# Altium PCB WSN_v1.1.PcbDoc
Units mm, origin at the board's own origin, x right, y up, seen from the top; angles counter-clockwise.
Board outline 73.02 x 57.15 mm, 2 copper layers (Top Layer, Bottom Layer); 63 components, 68 nets, 288 pads, 75 vias.
Unrouted connection lines stored in the file: 1.
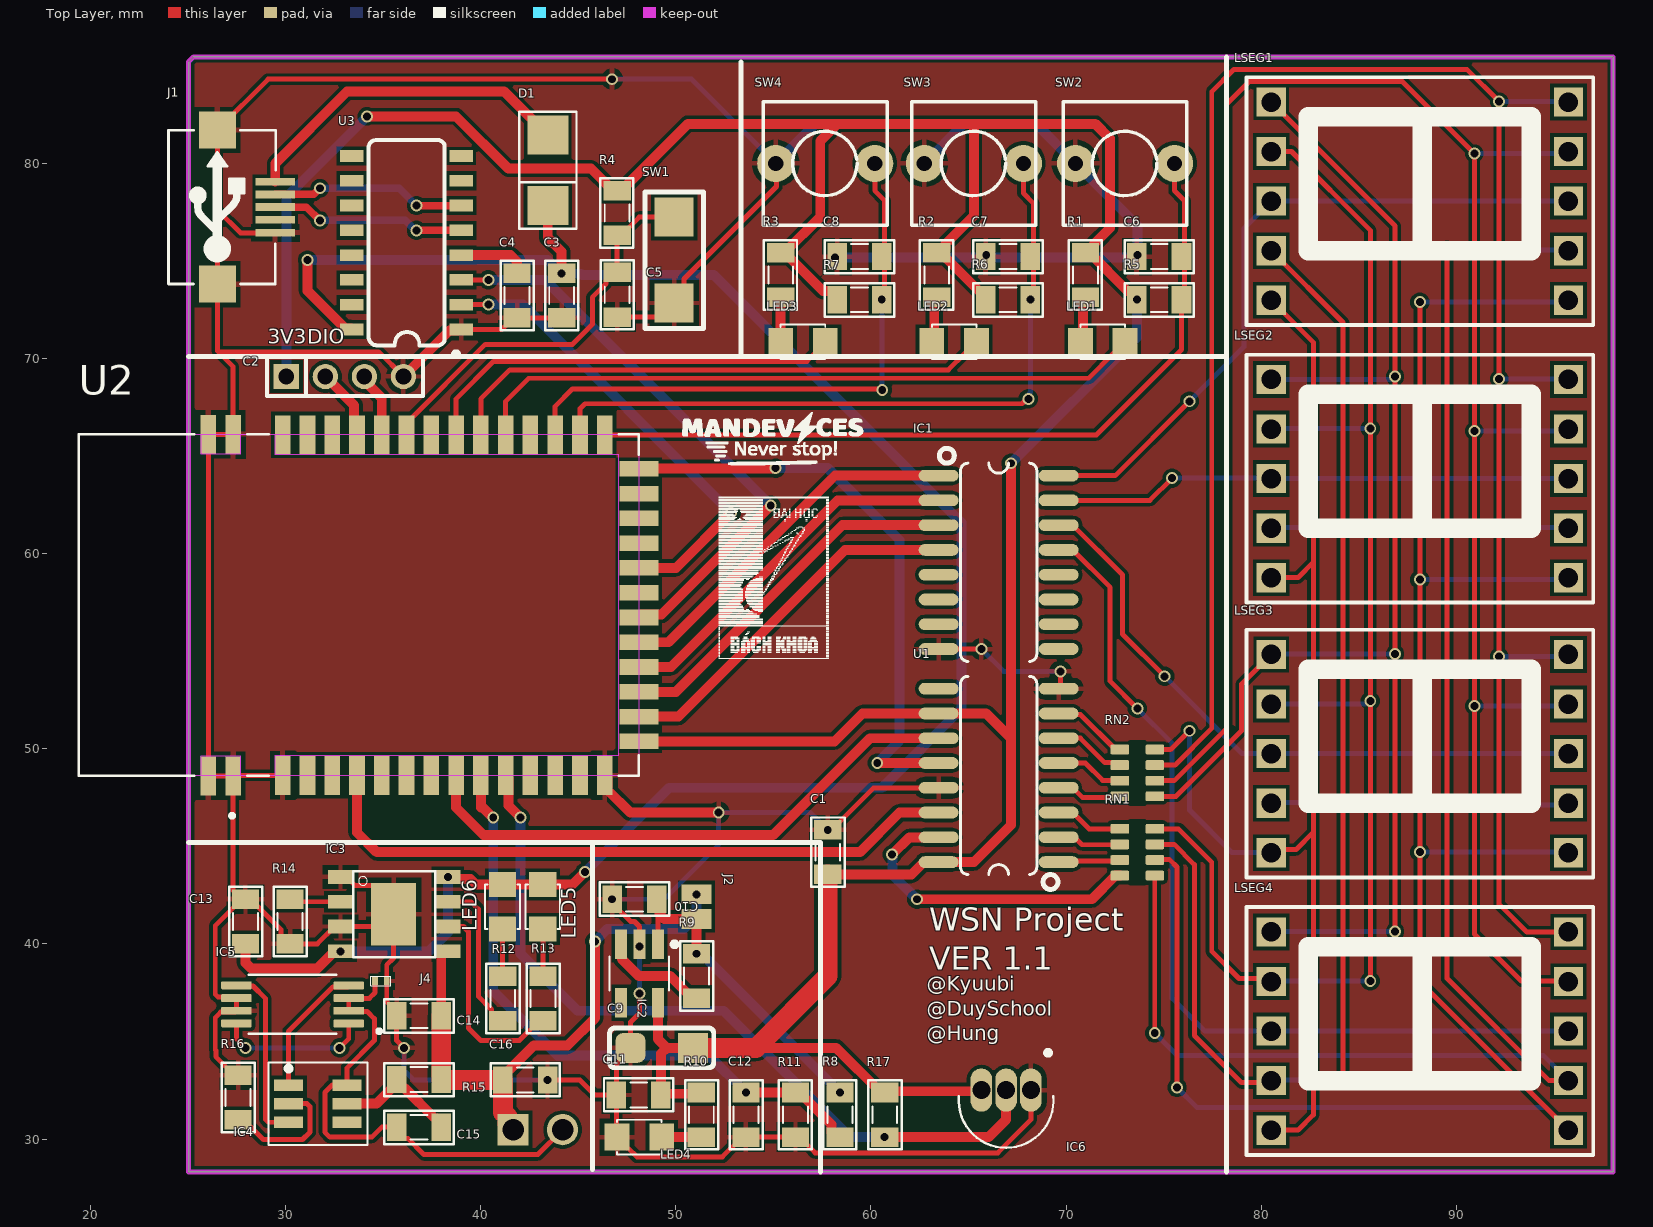
[diagram p0: Top Layer view]
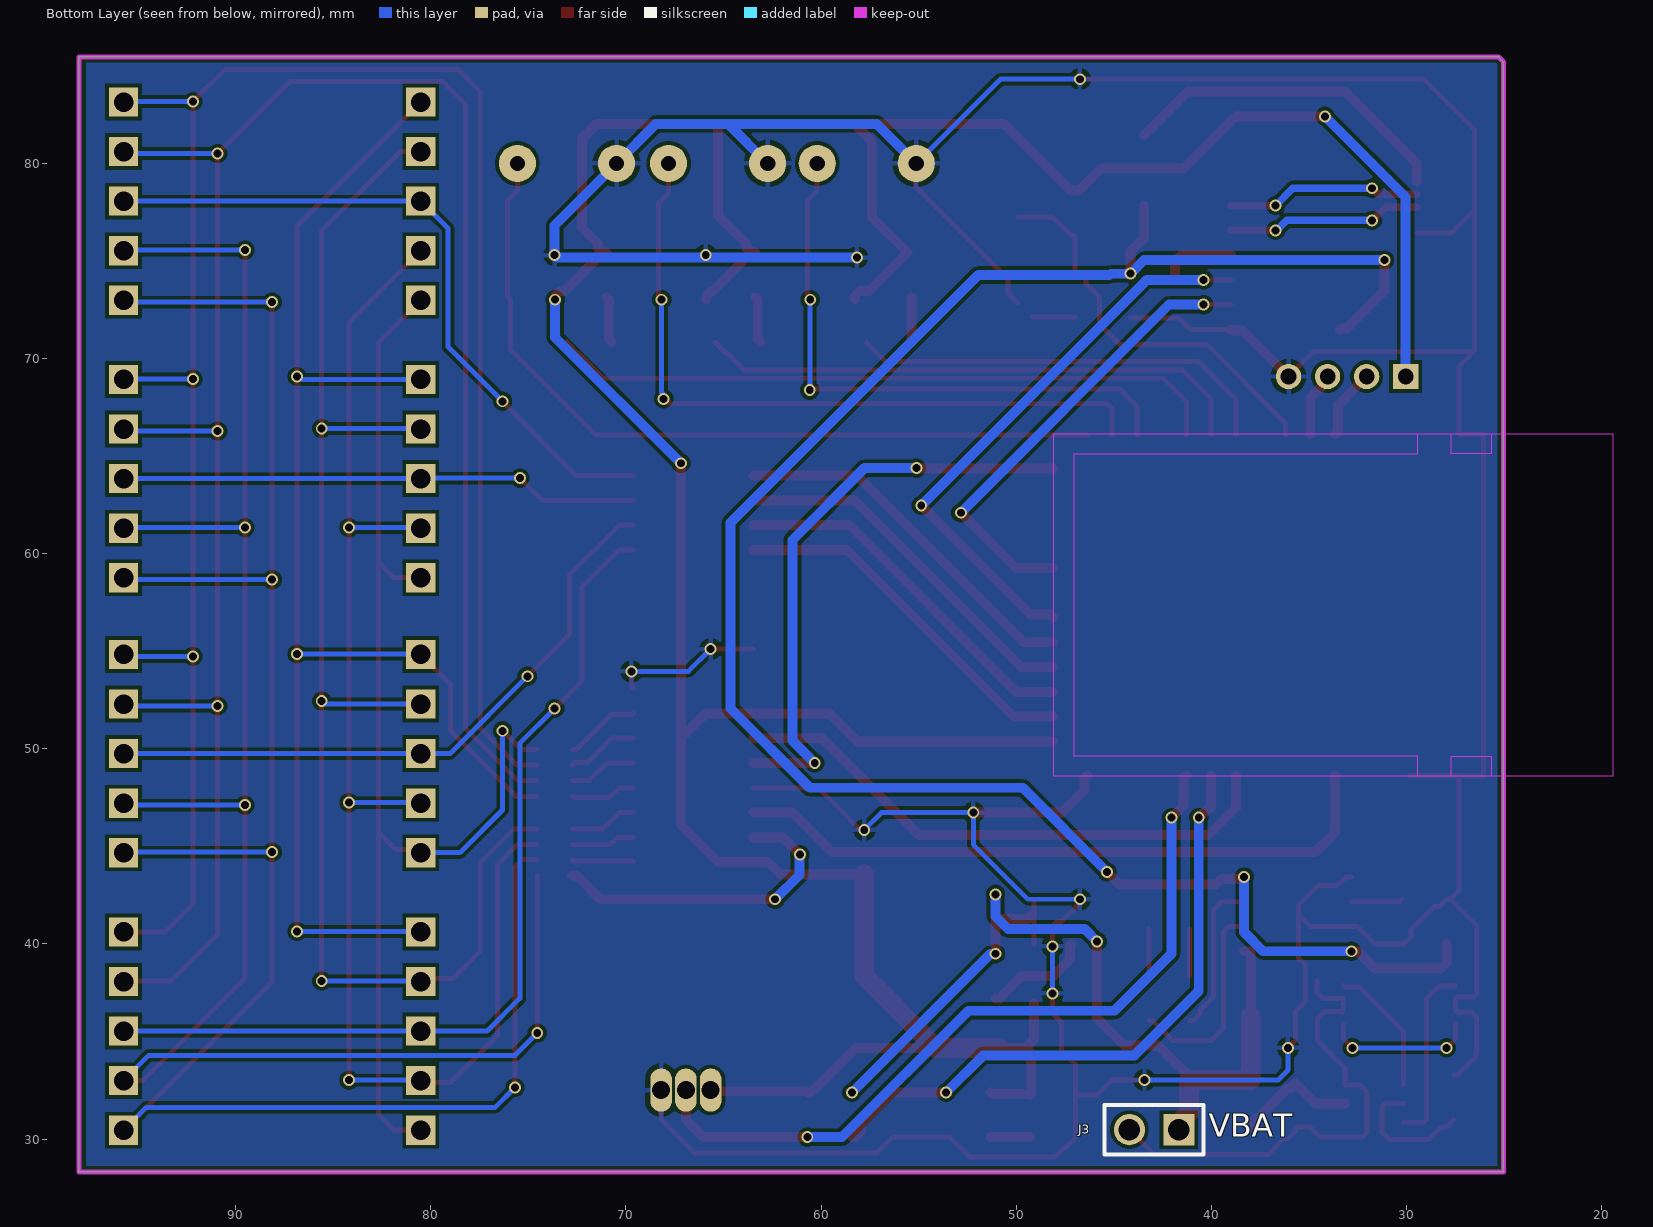
[diagram p1: Bottom Layer view, seen from below]
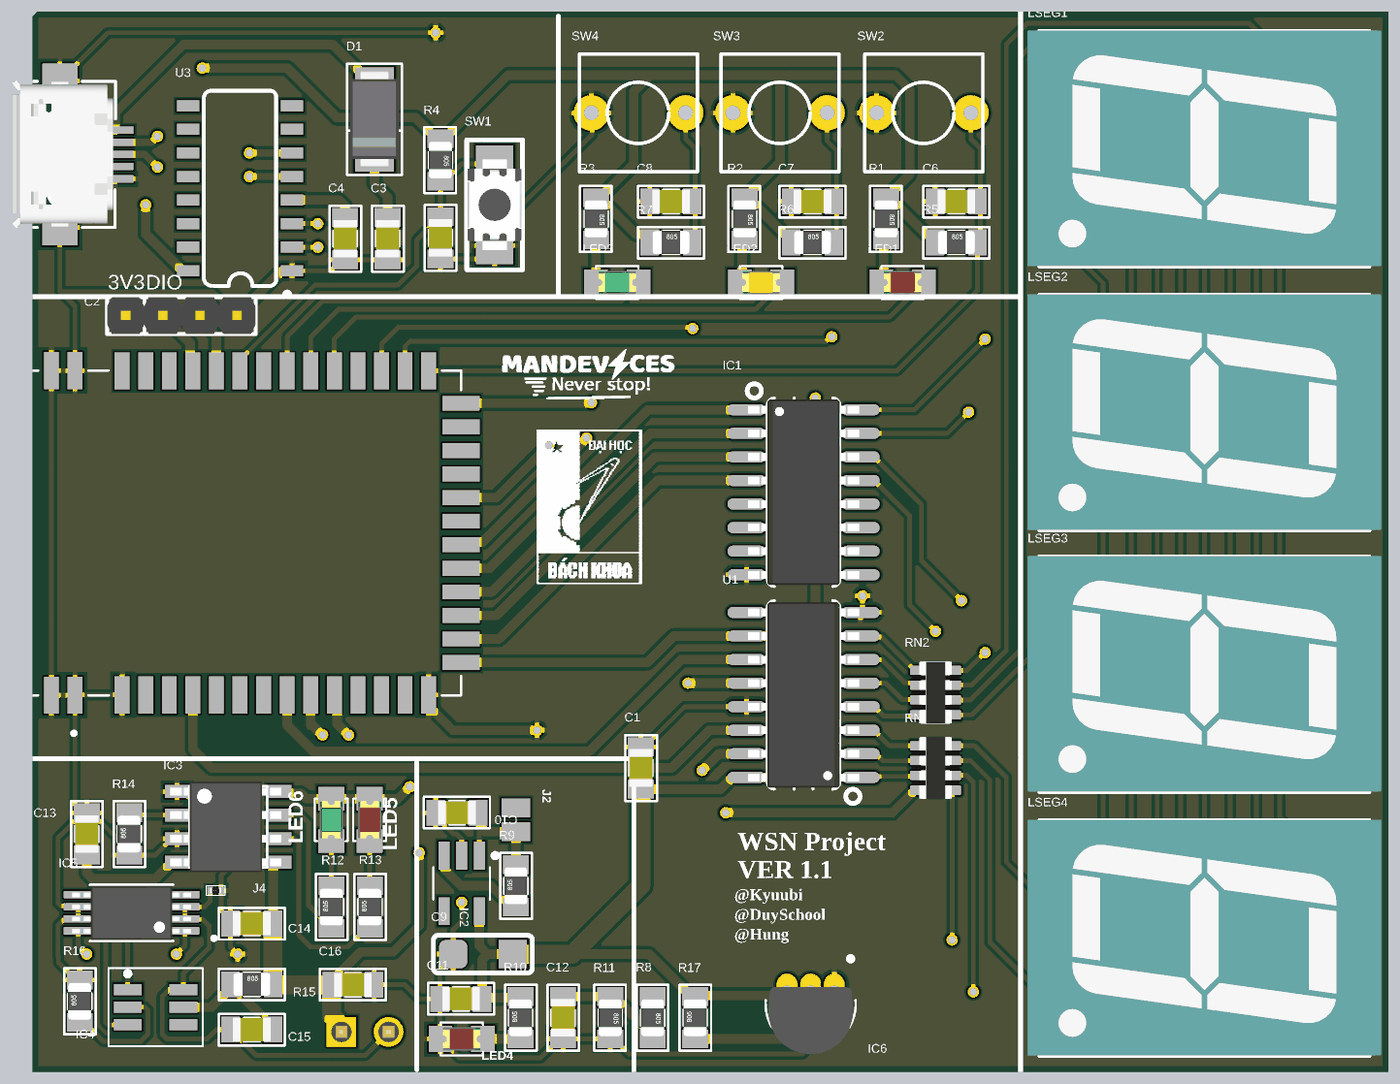
[diagram p2: 3D render of the assembled board from above, using the file's embedded part models]

## Layer stack, top to bottom
Top Solder: solder mask 0.0102, Solder Resist, Dk 3.5
Top Layer: signal copper 0.0356
Dielectric 1: dielectric 0.32, FR-4, Dk 4.8
Bottom Layer: signal copper 0.0356
Bottom Solder: solder mask 0.0102, Solder Resist, Dk 3.5

## Board outline
25.019,28.321 98.044,28.321 98.044,85.471 25.273,85.471 25.019,85.217

## Design rules (kind name [scope] priority, off if disabled: settings)
Clearance [All] p1: gap=0.178 ignorepadtopadclearanceinfootprint=TRUE
DiffPairsRouting [All] p1: maxlimit=0.254 minlimit=0.254 mostfreqgap=0.254 toplayer_minwidth=0.381 toplayer_maxwidth=0.381 toplayer_prefwidth=0.381 bottomlayer_minwidth=0.381 bottomlayer_maxwidth=0.381 bottomlayer_prefwidth=0.381 maxuncoupledlength=12.7
PolygonConnect [All] p1: connectstyle=Relief reliefconductorwidth=0.254 reliefentries=4 polygonreliefangle="90 Angle" airgapwidth=0.254
RoutingVias [All] p1: holewidth=0.406 width=0.61 viastyle="Through Hole" minholewidth=0.406 minwidth=0.61 maxholewidth=0.508 maxwidth=0.711
SolderMaskExpansion [All] p1: expansion=0.102 istentingtop=FALSE
Width [All] p1: maxlimit=1.016 minlimit=0.254 preferedwidth=0.508
29 further rules are at their usual default settings.

## Classes and differential pairs
component class U_Sensor: IC6 R17
component class U_Power: C9 C10 C11 C12 C13 C14 C15 C16 IC2 IC3 IC4 IC5 J3 J4 LED4 LED5 LED6 R8 R9 R10 R11 R12 R13 R14 R15 R16
component class U_Main: C2 C3 C4 C5 C6 C7 C8 D1 J1 LED1 LED2 LED3 R1 R2 R3 R4 R5 R6 R7 SW1 SW2 SW3 SW4 U2 U3
component class U_Display: C1 IC1 LSEG1 LSEG2 LSEG3 LSEG4 RN1 RN2 U1
differential pair D0: +D0_P -D0_N

## Components (designator, comment, footprint, x,y, rotation, side; value= is the part's Value field where it differs from the comment)
C1 "100nF" CAP_0805 57.785,44.704 r90 top value=33p
C2 "ST_Link" J4-D1T 33.036,69.088 r0 top
C3 "10uF" CAP_0805 44.145,73.233 r90 top value=33p
C4 "100nF" CAP_0805 41.859,73.233 r90 top value=33p
C5 "10uF" CAP_0805 46.99,73.279 r90 top value=33p
C6 "10uF" CAP_0805 74.778,75.235 r0 top value=33p
C7 "10uF" CAP_0805 67.031,75.235 r0 top value=33p
C8 "10uF" CAP_0805 59.411,75.235 r0 top value=33p
C9 "220uF" CAP_TANTALUM_3216 49.276,34.671 r180 top
C10 "470nF" CAP_0805 47.879,42.291 r180 top value=33p
C11 "100nF" CAP_0805 48.095,32.258 r180 top value=33p
C12 "100nF" CAP_0805 53.594,31.242 r90 top value=33p
C13 "100nF" CAP_0805 27.94,41.148 r90 top value=33p
C14 "100nF" CAP_0805 36.83,36.322 r0 top value=33p
C15 "100nF" CAP_0805 36.83,30.607 r0 top value=33p
C16 "100nF" CAP_0805 42.278,33.02 r180 top value=33p
D1 "Diode SMD" DIO-214AC(SMA) 43.383,79.583 r90 top value=1N5007
IC1 "ULN2003A" SOIC16 66.548,59.563 r0 top
IC2 "RT9013" SOT23-5 48.133,38.481 r270 top
IC3 "TP4056" TP4056 35.56,41.529 r0 top
IC4 "DW01A" SOT23-6 31.647,31.811 r0 top
IC5 "FS8205A" FS8205A 30.353,36.957 r180 top
IC6 "DSB18B20" TO-92 66.802,32.004 r180 top
J1 "Debug" USB-M1 29.464,77.775 r90 top
J2 "Jumper2" JUMPER2 51.054,41.275 r270 top
J3 "VBAT_IN" JP2-D1T 41.656,30.48 r0 bottom
J4 "Jumper2" RES-SMD-0201 34.879,38.1 r0 top
LED1 "LED" LED-0805-Red 70.739,70.866 r0 top value="LED 3 ly Single Colour"
LED2 "LED" LED-0805-Yellow 63.119,70.866 r0 top value="LED 3 ly Single Colour"
LED3 "LED" LED-0805-Green 55.372,70.866 r0 top value="LED 3 ly Single Colour"
LED4 "" LED-0805-Red 49.276,30.099 r180 top value="LED 3 ly Single Colour"
LED5 "LED" LED-0805-Red 43.18,43.053 r270 top value="LED 3 ly Single Colour"
LED6 "LED" LED-0805-Green 41.11,43.053 r270 top value="LED 3 ly Single Colour"
LSEG1 "7SEG-K" LED7SEG 88.138,78.105 r270 top
LSEG2 "7SEG-K" LED7SEG 88.138,63.881 r270 top
LSEG3 "7SEG-K" LED7SEG 88.138,49.784 r270 top
LSEG4 "7SEG-K" LED7SEG 88.138,35.56 r270 top
R1 "1k" RES-SMD-0805 70.993,74.295 r270 top
R2 "1k" RES-SMD-0805 63.373,74.295 r270 top
R3 "1k" RES-SMD-0805 55.372,74.295 r270 top
R4 "10k" RES-SMD-0805 46.99,77.47 r270 top
R5 "10k" RES-SMD-0805 74.778,73.025 r0 top
R6 "10k" RES-SMD-0805 67.031,73.025 r0 top
R7 "10k" RES-SMD-0805 59.411,73.025 r0 top
R8 "30k" RES-SMD-0805 58.42,31.242 r270 top
R9 "10k" RES-SMD-0805 51.054,38.354 r90 top
R10 "1k" RES-SMD-0805 51.308,31.242 r90 top
R11 "100k" RES-SMD-0805 56.134,31.242 r270 top
R12 "1k" RES-SMD-0805 41.123,37.211 r90 top
R13 "1k" RES-SMD-0805 43.193,37.211 r90 top
R14 "1k2" RES-SMD-0805 30.226,41.148 r90 top
R15 "0.1k" RES-SMD-0805 36.83,33.045 r0 top
R16 "1k" RES-SMD-0805 27.559,32.131 r90 top
R17 "4k7" RES-SMD-0805 60.706,31.242 r90 top
RN1 "RP330" RN4-0805 73.66,44.704 r180 top
RN2 "RP330" RN4-0805 73.66,48.768 r180 top
SW1 "SW" "SW 3x2x4" 49.911,75.057 r90 top value="SW chip 2 pin"
SW2 "SW" SW2 70.485,80.01 r0 top value="SW chip 2 pin"
SW3 "SW" SW2 62.738,80.01 r0 top value="SW chip 2 pin"
SW4 "SW" SW2 55.118,80.01 r0 top value="SW chip 2 pin"
U1 "74HC595" SOIC16 66.548,48.641 r180 top
U2 "NRF52832_B" NRF52832_B 30.937,57.35 r90 top
U3 "CH340C" SOP-16 36.195,75.946 r90 top

## Footprints (in the part's own frame and the unit in brackets; to place one, negate y for a bottom-side part, rotate by r counter-clockwise, add the part's x,y. Pads: shape width x height; smd on the part's side, far side on the other; paste and mask are expansions set on the pad)
CAP_0805 [mil]
  rect 39.37x55 smd: 1(-45,0) 2(45,0)
  silkscreen extent -70,-34 70,33, body extent -40,-25 40,25, height 24
CAP_TANTALUM_3216 [mil]
  rect 60x60 smd: 1(-62.99,0)
  rrect50% 60x60 smd: 2(62.99,0)
  silkscreen extent -105,-40 105,40, body extent -67,-35 67,35, height 67
DIO-214AC(SMA) [mm] "DO-214AC Diode Smallest Size"
  rect 2x2.1 smd: 1(1.88,-0.051) 2(-1.732,-0.051)
  silkscreen extent -2.92,-1.52 3.07,1.42, body extent -2.5,-1.35 2.7,1.25, height 2.4
FS8205A [mm]
  rrect25% 1.56x0.4 smd: 1(-2.88,1.031) 2(-2.88,0.381) 3(-2.88,-0.269) 4(-2.88,-0.919) 5(2.88,-0.919) 6(2.88,-0.269) 7(2.88,0.381) 8(2.88,1.031)
  silkscreen extent -4.54,-1.46 2.25,1.57, body extent -3.2,-1.4 3.2,1.53, height 1.2
J4-D1T [mm] "4 pins, 1 row, straight, gold plating"
  rect 1.3x1.3 hole 0.8: 1(-3,0)
  round 1.3 hole 0.8: 2(-1,0) 3(1,0) 4(3,0)
  silkscreen extent -4,-1 4,1, body extent -4,-1 4,1, height 6.01
JP2-D1T [mm] "2 pins, 1 row, straight, gold plating"
  rect 1.6x1.6 hole 1.1: 1(0,0)
  round 1.6 hole 1.1: 2(2.54,0)
  silkscreen extent -1.27,-1.27 3.81,1.27, body extent -1.27,-1.27 3.81,1.27, height 8.54
JUMPER2 [mil]
  rect 40x60 smd: 1(-50,0) 2(0,0)
LED7SEG [mm] "LED7SEG"
  round 1.524 on Top Overlay: 0(4.724,-5.334)
  rect 1.5x1.5 hole 1: 1(-5.055,-7.62) 2(-2.515,-7.62) 3(0.025,-7.62) 4(2.565,-7.62) 5(5.105,-7.62) 6(5.105,7.62) 7(2.565,7.62) 8(0.025,7.62) 9(-2.515,7.62) 10(-5.055,7.62)
  silkscreen extent -6.32,-8.89 6.38,8.89, body extent -6.35,-9.52 6.35,9.53, height 8.03
LED-0805-Green [mil]
  rect 50x55 smd: 1(0,0) 2(90,0)
  silkscreen extent 0,-35 90,35, body extent 5,-25 85,25, height 43
LED-0805-Red [mil]
  rect 50x55 smd: 1(0,0) 2(90,0)
  silkscreen extent 0,-35 90,35, body extent 5,-25 85,25, height 43
LED-0805-Yellow [mil]
  rect 50x55 smd: 1(0,0) 2(90,0)
  silkscreen extent 0,-35 90,35, body extent 5,-25 85,25, height 43
NRF52832_B [mm] "https://www.ebyte.com/product-view-news.aspx?id=239&=ds-tm"
  rect 2x0.8 smd: 0(-8.729,4.902) 1(-8.729,3.632) 2(-8.709,1.092) 3(-8.709,-0.178) 4(-8.709,-1.448) 5(-8.709,-2.718) 6(-8.709,-3.988) 7(-8.709,-5.258) 8(-8.709,-6.528) 9(-8.709,-7.798) 10(-8.709,-9.068) 11(-8.709,-10.338) 12(-8.709,-11.608) 13(-8.709,-12.878) 14(-8.709,-14.148) 15(-8.709,-15.418) 28(8.751,-15.418) 29(8.751,-14.148) 30(8.751,-12.878) 31(8.751,-11.608) 32(8.751,-10.338) 33(8.751,-9.068) 34(8.751,-7.798) 35(8.751,-6.528) 36(8.751,-5.258) 37(8.751,-3.988) 38(8.751,-2.718) 39(8.751,-1.448) 40(8.751,-0.178) 41(8.751,1.092) 42(8.771,3.632) 43(8.771,4.902)
  rect 0.8x2 smd: 16(-6.964,-17.163) 17(-5.694,-17.163) 18(-4.424,-17.163) 19(-3.154,-17.163) 20(-1.884,-17.163) 21(-0.614,-17.163) 22(0.656,-17.163) 23(1.926,-17.163) 24(3.196,-17.163) 25(4.466,-17.163) 26(5.736,-17.163) 27(7.006,-17.163)
  Keep-Out Layer region: 8.771,-17.163 -8.729,-17.163 -8.729,11.537 8.771,11.537
  Keep-Out Layer region: 8.771,5.302 7.771,5.302 7.771,3.232 8.771,3.232 8.771,1.492 7.751,1.492 7.751,-16.113 -7.709,-16.113 -7.709,1.492 -8.729,1.492 -8.729,3.232 -7.729,3.232 -7.729,5.287 -8.729,5.287 -8.729,11.537 8.771,11.537
  silkscreen extent -10.88,-17.16 8.77,11.54
RES-SMD-0201 [mm]
  rect 0.3x0.4 smd: 1(-0.3,0) 2(0.3,0)
  silkscreen extent -0.51,-0.25 0.51,0.25, body extent -0.3,-0.15 0.3,0.15, height 0.22
RES-SMD-0805 [mil]
  rect 39.37x55 smd: 1(-45,0) 2(45,0)
  silkscreen extent -70,-34 70,33, body extent -39,-25 39,25, height 31
RN4-0805 [mm]
  round 0.254 on Mech15: 0(0,0)
  rrect25% 0.95x0.5 smd: 1(-0.9,1.2) 2(-0.9,0.4) 3(-0.9,-0.4) 4(-0.9,-1.2) 5(0.9,-1.2) 6(0.9,-0.4) 7(0.9,0.4) 8(0.9,1.2)
  Top Layer pour cut-out: -0.4,1.7 0.4,1.7 0.4,-1.7 -0.4,-1.7
  body extent -0.87,-1.68 0.88,1.67, height 0.7
SOIC16 [mm]
  oval 2.05x0.6 smd: 1(-3.075,4.445) 2(-3.075,3.175) 3(-3.075,1.905) 4(-3.075,0.635) 5(-3.075,-0.635) 6(-3.075,-1.905) 7(-3.075,-3.175) 8(-3.075,-4.445) 9(3.075,-4.445) 10(3.075,-3.175) 11(3.075,-1.905) 12(3.075,-0.635) 13(3.075,0.635) 14(3.075,1.905) 15(3.075,3.175) 16(3.075,4.445)
  silkscreen extent -3.03,-5.08 1.96,5.85, body extent -3,-5 3,5, height 1.75
SOP-16 [mm]
  rect 0.6x1.2 smd: 1(-4.445,-2.8) 2(-3.175,-2.8) 3(-1.905,-2.8) 4(-0.635,-2.8) 5(0.635,-2.8) 6(1.905,-2.8) 7(3.175,-2.8) 8(4.445,-2.8) 9(4.445,2.8) 10(3.175,2.8) 11(1.905,2.8) 12(0.635,2.8) 13(-0.635,2.8) 14(-1.905,2.8) 15(-3.175,2.8) 16(-4.445,2.8)
  silkscreen extent -5.84,-2.67 5.26,1.95, body extent -4.95,-3.47 4.95,3.47, height 1.75
SOT23-5 [mm] "SOT23, 5-Leads, Body 3.0x3.0mm (max), Pitch 0.95mm, IPC Medium Density"
  rect 1.5x0.6 smd: 1(-1.5,0.95) 2(-1.5,0) 3(-1.5,-0.95) 4(1.5,-0.95) 5(1.5,0.95)
  silkscreen extent -1.62,-1.52 0.87,1.93, body extent -1.75,-1.52 1.75,1.53, height 1.45
SOT23-6 [mm] "SOT23, 5-Leads, Body 3.0x3.0mm (max), Pitch 0.95mm, IPC Medium Density"
  rect 1.5x0.6 smd: 1(-1.5,0.95) 2(-1.5,0) 3(-1.5,-0.95) 4(1.5,-0.95) 5(1.5,0) 6(1.5,0.95)
  silkscreen extent -2.54,-2.11 2.54,2.11, body extent -1.75,-1.52 1.75,1.53, height 1.45
SW2 [mil] "SW button 2pin, 250x 250 mil"
  round 75 hole 31: 1(0,0) 2(200,0)
  silkscreen extent -25,-125 225,125
"SW 3x2x4" [mm]
  rect 2x2 smd: 1(-2.2,0) 2(2.2,0)
  silkscreen extent -3.5,-1.5 3.5,1.5, body extent -2.45,-1.45 2.45,1.45, height 2
TO-92 [mm]
  oval 1.11x2.22 hole 0.93: 1(-1.397,-0.506) 2(-0.127,-0.506) 3(1.143,-0.506)
  silkscreen extent -2.56,-2.54 2.3,2.45, body extent -2.41,-0.89 2.16,2.73, height 20.45
TP4056 [mm]
  rect 1.3x0.7 smd: 1(-2.75,1.905) 2(-2.75,0.635) 3(-2.75,-0.635) 4(-2.75,-1.905) 5(2.75,-1.905) 6(2.75,-0.635) 7(2.75,0.635) 8(2.75,1.905)
  rect 2.3x3.2 smd: 3(-0.025,0)
  silkscreen extent -2.1,-2.2 2.1,2.2, body extent -3.13,-2.45 2.87,2.45, height 1.75
USB-M1 [mm]
  rect 0.4x2 smd: 1(1.3,0) 2(0.65,0) 3(0,0) 4(-0.65,0) 5(-1.321,0)
  rect 1.9x1.9 smd: 5(-3.95,2.968) 5(3.95,2.968)
  silkscreen extent -3.94,-0.03 3.94,5.46, body extent -3.98,0.11 4,5.54, height 2.71

## Part data
C1 C3 C4 C5 C6 C7 C8 C10 C11 C12 C13 C14 C15 C16: library part CapSMD, "Capacitor", LatestRevisionDate=17-Jul-2002, LatestRevisionNote="Re-released for DXP Platform.", PackageReference=RAD-0.3, Published=8-Jun-2000, Publisher="Altium Limited"
C2: library part JP4x1-2.0, "WR-PHD 2.00 mm Socket Header", Manufacturer="W¨¹rth Elektronik eiSos GmbH", partNo=62000411821, ComponentLink1 Description=Manufacturer, ComponentLink1URL=http://www.we-online.com, ComponentLink2 Description=Datasheet, ComponentLink2URL=http://katalog.we-online.de/em/datasheet/6200xx11821.pdf, Created by="Karrer Zheng", Created Date="2 April 2013", NoPins=04
C9: library part "Cap Pol", "Polarized Capacitor (Axial)", LatestRevisionDate=17-Jul-2002, LatestRevisionNote="Re-released for DXP Platform.", PackageReference=POLAR0.8, Published=8-Jun-2000, Publisher="Altium Limited"
D1: "Default Diode", Code - JEDEC=DO-214-AB, Published=8-Jun-2000, Publisher="Altium Limited", Revision="July-2002: Re-released for DXP Platform."
IC1: "High-Voltage, High-Current Darlington Array", LatestRevisionNote="Stylized 3D Model Added.", Publisher="Altium Limited"
IC2: "https://linhkien.cxt.vn/5435-rt9013-33gb-ic-reg-linear-33v-500ma-sot23-5.html"
IC3: "Complete single cell Li-Ion battery with a constant current / constant voltage linear charger"
IC4: "One Cell Lithium-ion/Polymer Battery Protection IC"
IC6: "https://linhkien.cxt.vn/3083-ds18b20-temperature-sensors-55-to-125-c-to-92-3.html"
J1: library part USB-5, Manufacturer=FCI, Manufacturer Part Number=10118193-0001LF, Supplier Part Number 1=609-4616-1-ND, .Checked PCB=RF, .Checked SCH=MM, .Creator=MM, Category="Connectors, Interconnects", ComponentLink1Description=http://portal.fciconnect.com/Comergent//fci/drawing/10118193.pdf, ComponentLink1URL=http://portal.fciconnect.com/Comergent//fci/drawing/10118193.pdf, Connector Type="USB - micro B", Features="Shielded, Solder Retention", Gender=Receptacle, Ingress Protection=-, Mounting Type="Surface Mount, Right Angle, Horizontal", Number of Contacts=5, Packaging="Cut Tape (CT)", Pricing 1="1=0.46, 10=0.433, 25=0.3712, 50=0.3156, 100=0.3032, 250=0.27224, 500=0.25988 (USD)", RoHS="RoHS Compliant", Specifications="USB 2.0", Stock 1=28642, Supplier 1=Digi-Key
J2 J4: "Jumper, 2-Pin"
J3: library part JP2, "WR-PHD 2.54 mm Angled Socket Header", Manufacturer="W¨¹rth Elektronik eiSos GmbH", partNo=613002143121, ComponentLink1 Description=Manufacturer, ComponentLink1URL=http://www.we-online.com, ComponentLink2 Description=Datasheet, ComponentLink2URL=http://katalog.we-online.de/em/datasheet/6130xx143121.pdf, Created by="Karrer Zheng", Created Date="29 March 2013", NoPins=02
LED1 LED2 LED3 LED5 LED6: "LED Single colour Green and Red"
LED4: library part LED, "LED Single colour Green and Red"
LSEG1 LSEG2 LSEG3 LSEG4: library part LED7SEG-K, "14.2 mm General Purpose Blue 7-Segment Display: CC, RH DP, Gray Surface", Colour=Blue, PackageDocument=24-Sep-2002, ComponentLink1Description="Manufacturer Link", ComponentLink1URL=http://www.agilent.com/, DatasheetDocument=24-Sep-2002, LatestRevisionDate=17-Dec-2003, LatestRevisionNote="Schematic revised, PCB Footprint replaced.", MinimumIntensity="2020 ucd", Note="IF = 10 mA", PackageReference=H, Published=8-Jun-2000, Publisher="Altium Limited"
R1 R2 R3 R4 R5 R6 R7 R10 R15 R16 R17: library part "Resistor - SMD", "Resistor SMD", Manufacturer="Generic Components", Class=Passive, Published=08/06/2000, Publisher="Altium Hobart Technology Centre"
R8 R9 R11 R12 R13 R14: library part "Resistor - SMD", "Resistor", Manufacturer="Generic Components", Class=Passive, Published=08/06/2000, Publisher="Altium Hobart Technology Centre"
RN1 RN2: library part RN4-Dual
SW1 SW2 SW3 SW4: library part SW2, "Switch button 2 pin"
U1: "8-bit Serial-Input/Serial or Parallel Output Shift Register with Latched 3-state Outputs"
U2: "https://www.ebyte.com/product-view-news.aspx?id=239&=ds-tm"
U3: "USB to serial chip CH340", Package=Package, Availability=Unavailable, Check_prices=https://www.snapeda.com/parts/CH340C/WCH/view-part/5428851/?ref=eda, MF=WCH, MP=CH340C, Price=None, SnapEDA_Link=https://www.snapeda.com/parts/CH340C/WCH/view-part/5428851/?ref=snap

## Via types
v1: diameter 0.61, hole 0.406, Top Layer to Bottom Layer, 75 vias

## Nets (pads, with @x,y where several pads share a name; then routed paths per layer and width w, separated by ;. In a path a pad name is that pad's centre, name@x,y a point inside that pad or via, vN(x,y) a via of type N, cw(c..) or ccw(c..) an arc to the next point about the centre after c; other vN are vias at no path point)
3V3: C1.1 C2.1 C9.1 C11.1 IC2.5 IC6.3 R1.1 R2.1 R3.1 R4.1 R5.1 R6.1 R7.1 R10.2 R17.2 U1.10 U1.16 U2.16 | length 183.9
  Top Layer w0.508: v1(34.163,82.423) 38.735,82.423 41.406,79.752 45.653,79.752 46.792,78.613 R4.1 47.188,78.613 50.617,82.042 58.293,82.042 ; U2.16 58.133,50.386 59.563,51.816 U1.10 65.913,51.816 67.183,50.546 ; IC2.5 49.083,35.118 49.53,34.671 ; C9.1 49.53,34.671 ; R10.2 51.245,32.321 49.301,32.321 C11.1 49.238,34.379 49.53,34.671 ; 54.102,34.671 58.221,34.671 60.508,32.385 R17.2 60.769,32.448 65.596,32.448 IC6.3 ; C1.1 62.088,43.561 62.723,44.196 U1.16 65.278,44.196 67.183,46.101 67.183,50.546 ; R7.1 58.268,73.223 58.022,73.469 57.539,73.469 55.57,75.438 57.404,77.272 57.404,81.153 58.293,82.042 ; R2.1 R2.1@63.571,75.438 ; R6.1 65.888,73.223 65.642,73.469 65.54,73.469 R2.1@63.571,75.438 ; v1(67.183,64.643) 67.183,50.546 ; R1.1 R1.1@71.191,75.438 ; v1(73.635,73.025) 73.635,73.223 73.389,73.469 73.16,73.469 R1.1@71.191,75.438 ; 58.293,82.042 65.278,82.042 ; R2.1@63.571,75.438 63.817,75.684 63.817,75.883 65.278,77.343 65.278,82.042 ; 65.278,82.042 71.501,82.042 72.263,81.28 72.263,76.708 71.438,75.883 71.438,75.684 R1.1@71.191,75.438
  Top Layer w1.016: C9.1 54.102,34.671 57.785,38.354 C1.1
  Bottom Layer w0.508: C2.1 30.036,78.296 v1(34.163,82.423) ; v1(67.183,64.643) 73.635,71.095 v1(73.635,73.025)
5V: C3.2 C13.1 D1.2 IC3.4 IC3.8 LED5.1 LED6.1 U3.16 | length 102.4
  Top Layer w0.508: C13.1 27.94,39.033 28.238,38.735 31.621,38.735 32.51,39.624 v1(32.81,39.624) ; v1(31.115,75.057) 31.115,73.481 33.049,71.547 33.349,71.547 U3.16 ; v1(38.31,43.434) 38.406,43.338 39.466,43.338 39.751,43.053 LED6.1 LED5.1 44.704,43.053 v1(45.339,43.688) ; D1.2 43.434,76.2 44.145,75.489 v1(44.145,74.376)
  Bottom Layer w0.508: v1(31.115,75.057) 43.437,75.057 44.118,74.376 v1(44.145,74.376) 44.165,74.357 45.15,74.357 45.212,74.295 51.943,74.295 64.643,61.595 64.643,52.07 60.579,48.006 49.657,48.006 v1(45.339,43.688) ; v1(32.81,39.624) 37.338,39.624 38.31,40.596 v1(38.31,43.434)
A: LSEG1.7 LSEG2.7 LSEG3.7 LSEG4.7 RN1.1 | length 94.8
  Top Layer w0.254: v1(74.549,35.433) 74.549,43.493 RN1.1 ; v1(89.535,75.565) v1(89.535,61.341) v1(89.535,47.117) 89.535,38.227 94.767,32.995 LSEG4.7
  Bottom Layer w0.254: v1(74.549,35.433) 75.692,34.29 94.463,34.29 LSEG4.7 ; v1(89.535,47.117) 95.656,47.117 LSEG3.7 ; v1(89.535,61.341) 95.733,61.341 LSEG2.7 ; v1(89.535,75.565) 95.733,75.565 LSEG1.7
B: LSEG1.6 LSEG2.6 LSEG3.6 LSEG4.6 RN1.2 | length 102.1
  Top Layer w0.254: RN1.2 74.579,44.323 75.311,44.323 75.692,43.942 v1(75.692,32.639) ; v1(88.138,72.898) v1(88.138,58.674) v1(88.138,44.704) 88.138,38.075 LSEG4.6
  Bottom Layer w0.254: v1(75.692,32.639) 76.708,31.623 94.59,31.623 LSEG4.6 ; v1(88.138,44.704) 95.733,44.704 LSEG3.6 ; v1(88.138,58.674) 95.656,58.674 LSEG2.6 ; v1(88.138,72.898) 95.656,72.898 LSEG1.6
button0: C6.2 R5.2 SW2.2 U2.28 | length 41.2
  Top Layer w0.254: U2.28 71.562,66.101 75.921,70.46 R5.2 76.073,73.177 76.073,78.105 75.565,78.613 SW2.2
button1: C7.2 R6.2 SW3.2 U2.29 | length 36.9
  Top Layer w0.254: U2.29 45.085,67.437 45.339,67.691 67.745,67.691 67.999,67.945 v1(68.072,67.945) ; SW3.2 67.818,78.486 68.326,77.978 68.326,73.177 v1(68.174,73.025)
  Bottom Layer w0.254: v1(68.072,67.945) 68.14,68.013 68.14,68.238 68.174,68.272 v1(68.174,73.025)
button2: C8.2 R7.2 SW4.2 U2.30 | length 30.5
  Top Layer w0.254: U2.30 43.815,67.564 44.704,68.453 60.515,68.453 v1(60.579,68.389) ; SW4.2 60.198,78.613 60.706,78.105 60.706,73.177 v1(60.554,73.025)
  Bottom Layer w0.254: v1(60.554,73.025) 60.566,73.012 60.566,68.402 v1(60.579,68.389)
C: LSEG1.4 LSEG2.4 LSEG3.4 LSEG4.4 RN1.3 | length 71.3
  Top Layer w0.254: RN1.3 75.546,45.104 76.581,44.069 76.581,35.306 78.994,32.893 80.416,32.893 LSEG4.4 ; LSEG1.4 84.201,71.857 v1(84.201,61.341) v1(84.201,47.244) v1(84.201,33.02)
  Bottom Layer w0.254: LSEG4.4 80.543,33.02 v1(84.201,33.02) ; LSEG3.4 80.543,47.244 v1(84.201,47.244) ; LSEG2.4 80.543,61.341 v1(84.201,61.341)
D: LSEG1.2 LSEG2.2 LSEG3.2 LSEG4.2 RN1.4 | length 72.1
  Top Layer w0.254: RN1.4 75.762,45.904 77.47,44.196 77.47,39.624 78.867,38.227 80.366,38.227 LSEG4.2 ; LSEG1.2 81.559,80.62 85.598,76.581 v1(85.598,66.421) v1(85.598,52.451) v1(85.598,38.1)
  Bottom Layer w0.254: LSEG4.2 80.543,38.1 v1(85.598,38.1) ; LSEG3.2 v1@85.349,52.299 ; LSEG2.2 80.543,66.421 v1(85.598,66.421)
D0_N: J1.2 U3.6 | length 10
  Top Layer w0.381: J1.2 31.435,78.425 v1(31.75,78.74) ; v1(36.703,77.851) U3.6
  Bottom Layer w0.381: v1(31.75,78.74) 35.814,78.74 v1(36.703,77.851)
D0_P: J1.3 U3.5 | length 10
  Top Layer w0.381: J1.3 31.064,77.775 v1(31.75,77.089) ; v1(36.703,76.581) U3.5
  Bottom Layer w0.381: v1(31.75,77.089) 36.133,77.089 36.641,76.581 v1(36.703,76.581)
DG0: IC1.4 U2.17 | length 18.9
  Top Layer w0.508: U2.17 50.132,51.656 58.674,60.198 IC1.4
DG1: IC1.3 U2.18 | length 18.9
  Top Layer w0.508: U2.18 50.005,52.926 58.547,61.468 IC1.3
DG2: IC1.2 U2.19 | length 18.9
  Top Layer w0.508: U2.19 49.751,54.196 58.293,62.738 IC1.2
DG3: IC1.1 U2.20 | length 18.9
  Top Layer w0.508: U2.20 49.624,55.466 58.166,64.008 IC1.1
DIG0: IC1.13 LSEG4.3 LSEG4.8 | length 46.8
  Top Layer w0.254: IC1.13 70.348,60.198 72.263,58.283 72.263,53.467 v1(73.66,52.07)
  Bottom Layer w0.254: v1(73.66,52.07) 75.438,50.292 75.438,37.211 77.114,35.535 LSEG4.3 LSEG4.8
DIG1: IC1.14 LSEG3.3 LSEG3.8 | length 32.8
  Top Layer w0.254: IC1.14 70.348,61.468 72.898,58.918 72.898,55.88 v1(75.057,53.721)
  Bottom Layer w0.254: v1(75.057,53.721) 79.019,49.759 LSEG3.3 LSEG3.8
DIG2: IC1.15 LSEG2.3 LSEG2.8 | length 26.6
  Top Layer w0.254: IC1.15 74.295,62.738 v1(75.438,63.881)
  Bottom Layer w0.254: v1(75.438,63.881) 80.493,63.881 LSEG2.3 LSEG2.8
DIG3: IC1.16 LSEG1.3 LSEG1.8 | length 35.5
  Top Layer w0.254: IC1.16 72.517,64.008 v1(76.327,67.818)
  Bottom Layer w0.254: v1(76.327,67.818) 79.121,70.612 79.121,76.683 LSEG1.3 LSEG1.8
DP: LSEG1.5 LSEG2.5 LSEG3.5 LSEG4.5 RN2.4 | length 61.5
  Top Layer w0.254: RN2.4 75.368,49.968 v1(76.327,50.927) ; LSEG4.5 81.89,30.455 82.677,31.242 82.677,45.72 ; LSEG3.5 80.67,44.831 81.788,44.831 82.677,45.72 ; LSEG2.5 81.89,58.776 82.677,59.563 ; LSEG1.5 82.677,70.841 82.677,59.563 ; 82.677,45.72 82.677,59.563
  Bottom Layer w0.254: v1(76.327,50.927) 76.327,46.863 78.511,44.679 LSEG3.5
E: LSEG1.1 LSEG2.1 LSEG3.1 LSEG4.1 RN2.1 | length 74.3
  Top Layer w0.254: RN2.1 75.635,47.568 78.994,50.927 78.994,53.315 LSEG3.1 ; LSEG1.1 86.868,76.81 v1(86.868,69.088) v1(86.868,54.864) v1(86.868,40.64)
  Bottom Layer w0.254: LSEG4.1 80.543,40.64 v1(86.868,40.64) ; LSEG3.1 80.543,54.864 v1(86.868,54.864) ; LSEG2.1 v1@86.619,68.936
F: LSEG1.9 LSEG2.9 LSEG3.9 LSEG4.9 RN2.2 | length 111.9
  Top Layer w0.254: RN2.2 75.546,48.368 78.232,51.054 78.232,83.058 79.388,84.214 81.394,84.214 81.408,84.201 87.249,84.201 v1(90.932,80.518) v1(90.932,66.294) v1(90.932,52.197) 90.932,40.513 93.345,38.1 95.733,38.1 LSEG4.9
  Bottom Layer w0.254: v1(90.932,52.197) 95.656,52.197 LSEG3.9 ; v1(90.932,66.294) 95.656,66.294 LSEG2.9 ; v1(90.932,80.518) 95.656,80.518 LSEG1.9
G: LSEG1.10 LSEG2.10 LSEG3.10 LSEG4.10 RN2.3 | length 108.2
  Top Layer w0.254: RN2.3 75.584,49.168 77.47,51.054 77.47,83.693 78.613,84.836 90.551,84.836 v1(92.202,83.185) v1(92.202,68.961) v1(92.202,54.737) 92.202,42.037 93.624,40.615 LSEG4.10
  Bottom Layer w0.254: v1(92.202,54.737) 95.656,54.737 LSEG3.10 ; v1(92.202,68.961) 95.733,68.961 LSEG2.10 ; v1(92.202,83.185) 95.733,83.185 LSEG1.10
GND: C1.2 C2.4 C3.1 C4.1 C5.1 C6.1 C7.1 C8.1 C9.2 C10.2 C11.2 C12.1 C13.2 C14.1 C16.1 IC1.8 IC2.2 IC3.1 IC3.3 IC5.6 IC5.7 IC6.1 J1.5 J4.2 LED4.2 R11.2 R14.1 R16.2 SW1.1 SW2.1 SW3.1 SW4.1 U1.8 U1.13 U2.0 U2.1 U2.2 U2.15 U2.42 U2.43 U3.1 | length 271.4
  Top Layer w0.254: R16.2 27.361,33.274 26.416,34.218 26.416,34.544 26.388,34.572 26.388,36.223 26.668,36.503 27.4,36.503 IC5.7 IC5.6 27.427,37.272 26.537,37.272 26.388,37.42 26.388,40.938 C13.2@27.742,42.291 ; J1.5@29.464,76.454 27.686,76.454 26.496,77.644 ; U2.2 27.325,48.641 U2.1 ; IC3.1 33.11,43.434 33.542,43.002 34.512,43.002 35.535,41.979 IC3.3@35.535,41.529 ; C2.4 34.766,70.358 26.543,70.358 ; v1(36.068,34.671) 35.687,35.052 C14.1 35.687,36.52 35.179,37.028 J4.2 35.179,38.925 35.535,39.281 IC3.3@35.535,41.529 ; U3.1 41.071,71.501 41.661,72.09 C4.1 C3.1 ; v1(43.421,33.02) 45.085,33.02 45.847,32.258 C11.2 ; v1(46.736,42.291) 46.736,42.093 47.681,41.148 47.879,41.148 48.133,40.894 IC2.2 v1(48.133,39.878) ; v1(46.736,84.328) 29.099,84.328 26.496,81.725 26.496,77.644 ; C5.1 SW1.1@49.19,72.136 ; v1(48.133,37.465) 48.133,36.45 47.676,35.993 C9.2 47.676,34.534 46.952,33.809 C11.2 ; SW1.1 50.419,73.365 50.419,74.089 55.156,78.825 55.156,79.972 SW4.1 ; v1(57.785,45.847) 57.983,45.847 60.143,48.006 U1.13 ; IC1.8 v1(65.659,55.118) ; IC6.1 68.199,30.988 66.505,29.294 57.137,29.294 56.332,30.099 R11.2 C12.1 53.396,30.099 52.38,29.083 48.006,29.083 47.561,29.527 47.498,29.527 46.952,30.074 C11.2 ; U1.8 69.723,53.186 v1(69.723,53.975) ; 26.496,77.644 26.496,73.825 26.496,70.405 26.543,70.358 ; 26.543,70.358 27.305,69.596 U2.42 U2.43 U2.0 U2.1 ; U2.1 27.305,42.727 C13.2@27.742,42.291 ; C13.2@27.742,42.291 C13.2 28.313,41.918 28.567,41.918 29.748,40.737 29.748,40.378 30.121,40.005 R14.1 31.621,40.005 32.51,40.894 32.81,40.894 34.9,40.894 IC3.3@35.535,41.529
  Top Layer w0.508: C2.4 38.403,71.455 38.949,71.455 U3.1 ; U2.15 46.501,48.495 46.501,47.895 47.66,46.736 v1(52.197,46.736) ; v1(58.166,75.184) 58.217,75.235 C8.1 ; C6.1 73.635,75.286 v1(73.66,75.311)
  Bottom Layer w0.254: v1(36.068,34.671) 36.068,33.528 36.576,33.02 v1(43.421,33.02) ; v1(46.736,42.291) 49.403,42.291 52.197,45.085 v1(52.197,46.736) 56.896,46.736 v1(57.785,45.847) ; v1(46.736,84.328) 50.8,84.328 SW4.1 ; v1(48.133,37.465) v1(48.133,39.878) ; v1(65.659,55.118) 66.802,53.975 v1(69.723,53.975)
  Bottom Layer w0.508: SW4.1 57.15,82.042 64.77,82.042 ; v1(58.166,75.184) 73.506,75.184 73.633,75.311 v1(73.66,75.311) 73.66,76.835 SW2.1 68.453,82.042 64.77,82.042 ; SW3.1 64.77,82.042
  other v1: 65.913,75.311
LED1: LED1.2 U2.32 | length 34.8
  Top Layer w0.254: U2.32 41.275,67.818 42.456,68.999 71.158,68.999 72.453,70.294 72.517,70.294 73.025,70.802 LED1.2
LED2: LED2.2 U2.33 | length 28.5
  Top Layer w0.254: U2.33 40.005,67.945 41.491,69.431 63.97,69.431 64.834,70.294 64.897,70.294 65.405,70.802 LED2.2
LED3: LED3.2 U2.34 | length 22
  Top Layer w0.254: U2.34 38.735,67.945 40.653,69.863 56.718,69.863 57.658,70.802 LED3.2
NetC4_2: C4.2 U3.4 | length 3.6
  Top Layer w0.508: U3.4 41.529,75.311 41.859,74.981 C4.2
NetC12_2: C12.2 R8.2 R11.1 U2.10 | length 32.5
  Top Layer w0.508: U2.10 40.005,46.99 40.105,46.99 40.613,46.482 v1(40.64,46.482) ; v1(53.594,32.385) R11.1 56.332,32.385 57.975,30.742 57.975,30.345 58.222,30.099 R8.2
  Bottom Layer w0.508: v1(40.64,46.482) 40.64,37.592 43.942,34.29 51.689,34.29 v1(53.594,32.385)
NetC15_1: C15.1 IC4.6 IC5.2 IC5.3 J3.2 J4.1 | length 25.3
  Top Layer w0.254: J4.1 34.579,37.5 34.29,37.211 33.248,37.211 IC5.3 IC5.2 33.27,36.539 34.178,36.539 34.544,36.173 34.544,35.048 33.147,33.651 IC4.6 33.142,32.766 32.385,32.766 32.004,32.385 32.004,30.353 32.258,30.099 34.417,30.099 34.925,30.607 C15.1 35.687,30.409 36.06,30.035 36.258,30.035 37.084,29.21 42.926,29.21 J3.2
NetC15_2: C15.2 IC4.5 R15.1 | length 6.3
  Top Layer w0.508: IC4.5 34.651,31.811 35.687,32.847 35.933,32.601 36.105,32.601 37.655,31.051 37.727,31.051 37.973,30.805 C15.2
NetD1_1: D1.1 J1.1 | length 17.4
  Top Layer w0.508: J1.1 29.464,80.01 33.147,83.693 41.204,83.693 D1.1
NetIC2_3: IC2.3 R9.1 | length 5.4
  Top Layer w0.508: IC2.3 47.229,39.935 47.229,39.224 48.099,38.354 49.712,38.354 50.856,37.211 R9.1
NetIC3_2: IC3.2 R14.2 | length 2.6
  Top Layer w0.254: R14.2 30.353,42.164 IC3.2
NetIC3_6: IC3.6 R13.1 | length 10.6
  Top Layer w0.254: IC3.6 39.116,40.894 39.37,40.64 39.37,35.687 40.005,35.052 41.978,35.052 42.994,36.068 R13.1
NetIC3_7: IC3.7 R12.1 | length 8.1
  Top Layer w0.254: IC3.7 39.497,42.164 39.878,41.783 39.878,37.313 40.551,36.639 40.551,36.441 40.924,36.068 R12.1
NetIC4_1: IC4.1 IC5.4 | length 6.8
  Top Layer w0.254: IC4.1 30.147,35.522 32.428,37.803 33.16,37.803 IC5.4
NetIC4_2: IC4.2 R16.1 | length 6.7
  Top Layer w0.254: R16.1 27.932,30.615 28.208,30.615 28.851,29.972 30.861,29.972 31.242,30.353 31.242,31.662 31.093,31.811 IC4.2
NetIC4_3: IC4.3 IC5.5 | length 9.2
  Top Layer w0.254: IC5.5 27.503,37.846 28.321,37.846 28.956,37.211 28.956,31.01 29.105,30.861 IC4.3
NetIC5_1: IC5.1 IC5.8 | length 7.7
  Top Layer w0.254: IC5.8 27.473,35.138 v1(27.94,34.671) ; v1(32.766,34.671) 33.233,35.138 IC5.1
  Bottom Layer w0.254: v1(27.94,34.671) v1(32.766,34.671)
NetIC6_2: IC6.2 R17.1 U2.11 | length 40.1
  Top Layer w0.508: U2.11 41.421,48.495 41.421,47.098 v1(42.037,46.482) ; v1(60.706,30.099) 66.04,30.099 66.929,30.988 IC6.2
  Bottom Layer w0.508: v1(42.037,46.482) 42.037,39.497 44.958,36.576 52.451,36.576 58.928,30.099 v1(60.706,30.099)
NetLED1_1: LED1.1 R1.2 | length 2.4
  Top Layer w0.508: LED1.1 70.866,70.993 70.866,73.025 R1.2
NetLED2_1: LED2.1 R2.2 | length 2.4
  Top Layer w0.508: LED2.1 63.246,70.993 63.246,73.025 R2.2
NetLED3_1: LED3.1 R3.2 | length 2.3
  Top Layer w0.508: LED3.1 R3.2
NetLED4_1: LED4.1 R10.1 | length 2
  Top Layer w0.508: LED4.1 R10.1
NetLED5_2: LED5.2 R13.2 | length 2.4
  Top Layer w0.254: LED5.2 43.18,38.367 R13.2
NetLED6_2: LED6.2 R12.2 | length 2.4
  Top Layer w0.254: LED6.2 41.11,38.367 R12.2
NetRN1_5: RN1.5 U1.3 | length 3.5
  Top Layer w0.254: U1.3 70.348,46.736 71.18,45.904 RN1.5
NetRN1_6: RN1.6 U1.2 | length 3.3
  Top Layer w0.254: U1.2 70.442,45.466 70.823,45.085 72.741,45.085 RN1.6
NetRN1_7: RN1.7 U1.1 | length 3.2
  Top Layer w0.254: U1.1 69.677,44.25 72.706,44.25 RN1.7
NetRN1_8: RN1.8 U1.15 | length 16.5
  Top Layer w0.508: v1(61.087,44.577) 61.976,45.466 U1.15 ; v1(62.357,42.291) 71.33,42.291 72.543,43.504 RN1.8
  Bottom Layer w0.508: v1(61.087,44.577) 61.106,44.558 61.106,43.542 v1(62.357,42.291)
NetRN2_5: RN2.5 U1.7 | length 3.9
  Top Layer w0.254: U1.7 69.681,51.758 70.745,51.758 72.535,49.968 RN2.5
NetRN2_6: RN2.6 U1.6 | length 3.7
  Top Layer w0.254: U1.6 70.739,50.546 71.994,49.291 72.637,49.291 RN2.6
NetRN2_7: RN2.7 U1.5 | length 3.5
  Top Layer w0.254: U1.5 70.993,49.276 71.882,48.387 72.741,48.387 RN2.7
NetRN2_8: RN2.8 U1.4 | length 3.4
  Top Layer w0.254: U1.4 70.348,48.006 70.856,47.498 72.69,47.498 RN2.8
NetU1_11: U1.11 U2.9 | length 29
  Top Layer w0.508: U2.9 38.735,46.99 40.132,45.593 54.991,45.593 59.944,50.546 U1.11
NetU1_12: U1.12 U2.27 | length 30
  Top Layer w0.508: U2.27 48.117,64.373 55.102,64.373 v1(55.118,64.389) ; v1(60.325,49.276) U1.12
  Bottom Layer w0.508: v1(55.118,64.389) 57.785,64.389 61.468,60.706 61.468,50.419 v1(60.325,49.276)
NetU1_14: U1.14 U2.5 | length 34
  Top Layer w0.508: U2.5 33.655,45.72 34.671,44.704 59.436,44.704 61.468,46.736 U1.14
nRST: C5.2 R4.2 SW1.2 U2.36 | length 20.7
  Top Layer w0.254: U2.36 36.195,66.701 40.233,70.739 44.704,70.739 45.72,71.755 45.72,73.152 46.419,73.85 46.419,74.049 46.792,74.422 C5.2 R4.2 47.188,76.327 48.118,77.257 SW1.2
P0.09: U2.24
P0.10: U2.25
P0.11: U2.26
RX0: U2.23 U3.2 | length 24.2
  Top Layer w0.254: U3.2 v1(40.386,72.771)
  Top Layer w0.508: U2.23 50.005,59.276 v1(52.832,62.103)
  Bottom Layer w0.508: v1(40.386,72.771) 42.164,72.771 v1(52.832,62.103)
RXI: U2.21 U3.3 | length 29.8
  Top Layer w0.254: U3.3 v1(40.386,74.041)
  Top Layer w0.508: U2.21 48.246,56.882 49.262,56.882 v1(54.864,62.484)
  Bottom Layer w0.508: v1(40.386,74.041) 43.307,74.041 v1(54.864,62.484)
SWCLK: C2.3 U2.37 | length 3.4
  Top Layer w0.508: C2.3 34.036,68.874 34.925,67.985 U2.37
SWDIO: C2.2 U2.38 | length 3.7
  Top Layer w0.508: C2.2 33.509,67.615 33.509,66.247 U2.38
VBAT: C14.2 C16.2 IC3.5 J2.1 J3.1 R15.2 | length 29.8
  Top Layer w0.508: C14.2 37.973,39.528 38.069,39.624 IC3.5 ; C16.2 41.135,33.218 42.715,34.798 44.45,34.798 45.847,36.195 v1(45.847,40.132)
  Top Layer w1.016: C14.2 R15.2 37.973,33.028 37.981,33.02 C16.2 41.135,31.367 41.364,31.139 41.364,30.772 J3.1
  Bottom Layer w0.508: v1(45.847,40.132) 46.482,40.767 50.419,40.767 51.054,41.402 v1(51.054,42.545)
VCCB: C10.1 IC2.1 J2.2 R8.1 R9.2 | length 16.3
  Top Layer w0.254: IC2.1 C10.1@49.083,42.23
  Top Layer w0.508: 49.149,41.529 49.403,41.275 J2.2 v1(51.054,39.497)
  Bottom Layer w0.508: v1(51.054,39.497) 51.073,39.478 51.327,39.478 v1(58.42,32.385)
pads on no net: IC1.5 IC1.6 IC1.7 IC1.9 IC1.10 IC1.11 IC1.12 IC2.4 IC4.4 J1.4 LSEG1.0 LSEG2.0 LSEG3.0 LSEG4.0 RN1.0 RN2.0 U1.9 U2.3 U2.4 U2.6 U2.7 U2.8 U2.12 U2.13 U2.14 U2.22 U2.31 U2.35 U2.39 U2.40 U2.41 U3.7 U3.8 U3.9 U3.10 U3.11 U3.12 U3.13 U3.14 U3.15

## Polygon pours and split planes (outlines as drawn)
GND on Top Layer "Kyuubi" (solid, remove dead copper, pour order 0): 25.019,28.321 25.019,85.471 98.044,85.471 98.044,28.321
GND on Bottom Layer "Kyuubi" (solid, remove dead copper, pour order 1): 97.79,28.575 97.663,28.702 97.663,85.217 25.146,85.217 25.273,85.09 25.273,28.575

## Keep-outs
Keep-Out Layer:
  the board outline again, w0.254

## Silkscreen, mask and mechanical layers (free items; w line width, h text height)
Top Overlay:
  drawing of 1611 lines, arcs and shapes, not listed
  text "3V3" at 29.083,70.51 h1.27
  text "DIO" at 31.115,70.499 h1.27
  text "WSN Project" at 62.994,40.275 h2.03
  text "VER 1.1" at 62.994,38.257 h2.03
  text "@Kyuubi / @DuySchool / @Hung" at 62.865,34.798 h1.27
Bottom Overlay:
  text "VBAT" at 40.132,29.718 h2.03